# Altium PCB PCB2.PcbDoc
Units mm, origin at the board's own origin, x right, y up, seen from the top; angles counter-clockwise.
Board outline 99.95 x 75.18 mm, 2 copper layers (Top Layer, Bottom Layer); 75 components, 73 nets, 398 pads, 100 vias.
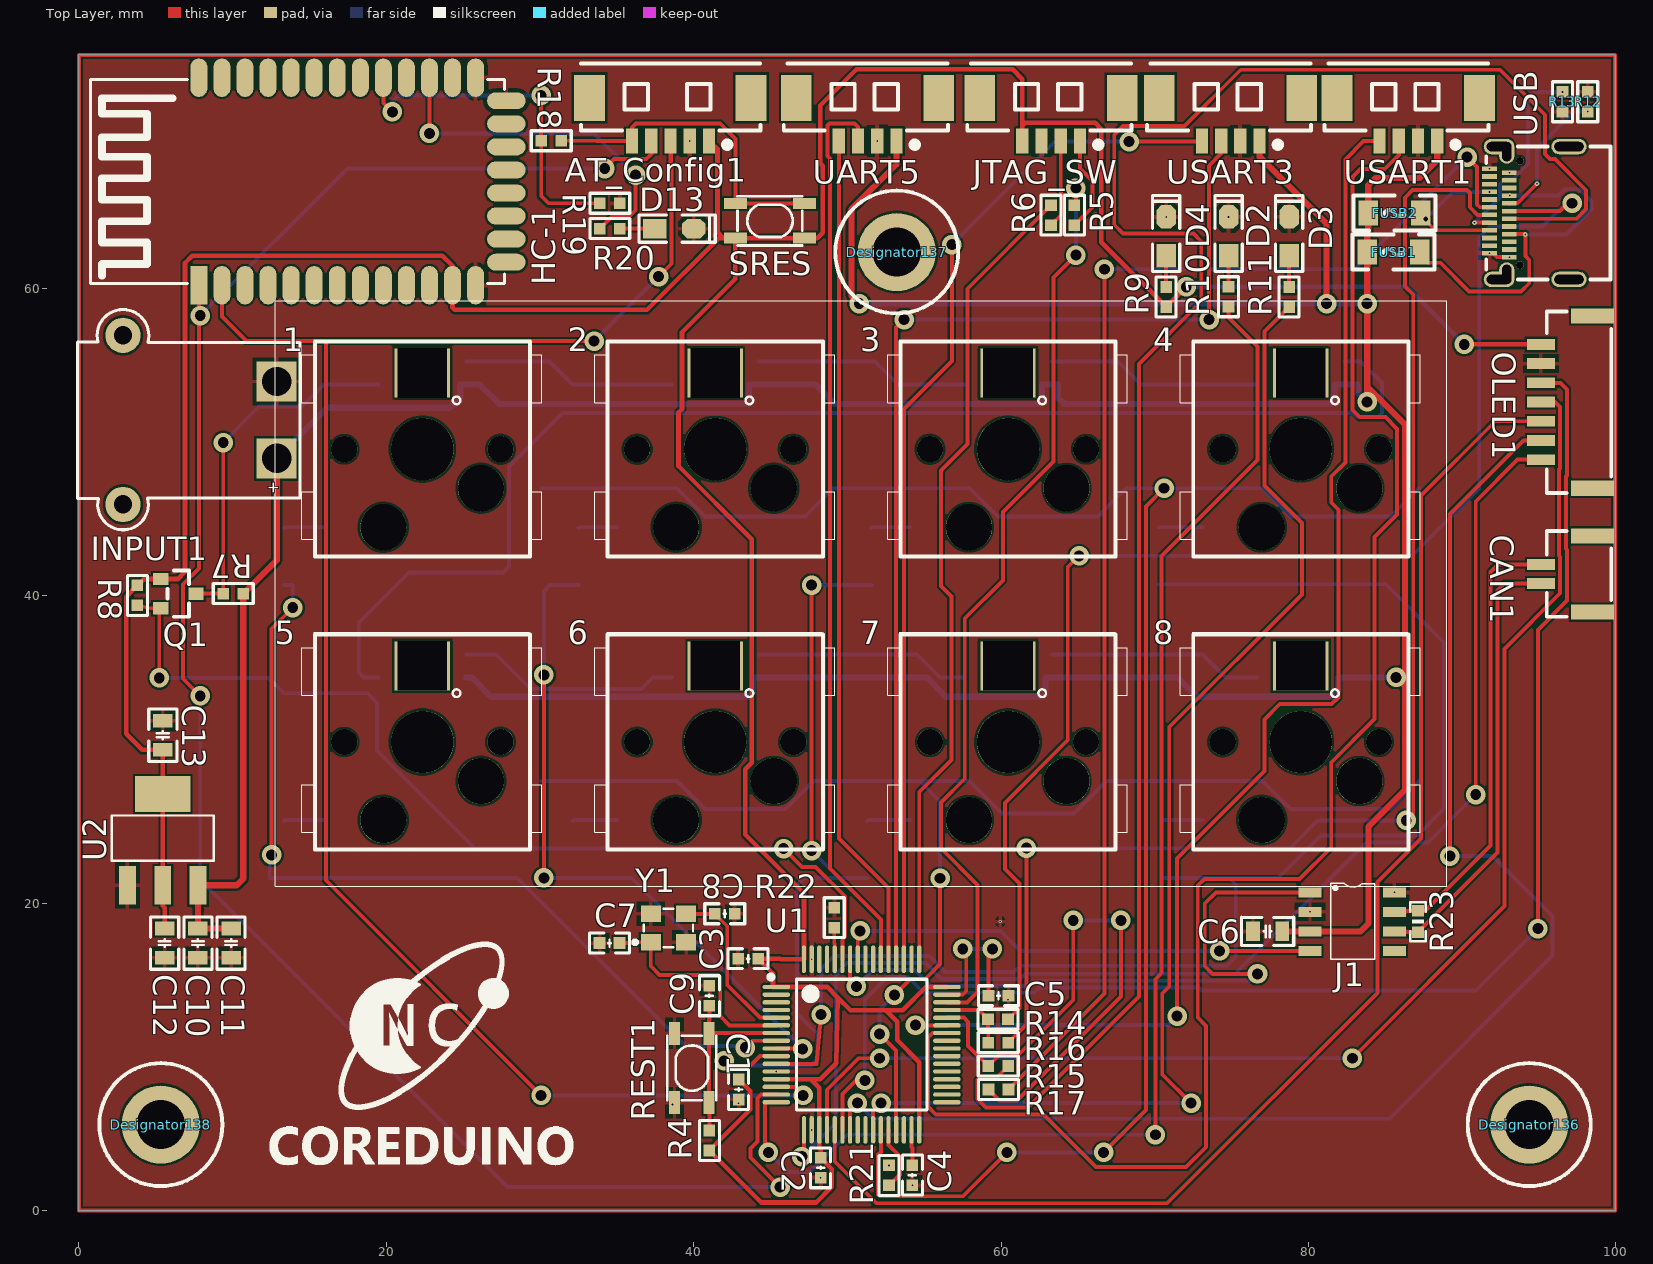
[diagram p0: Top Layer view]
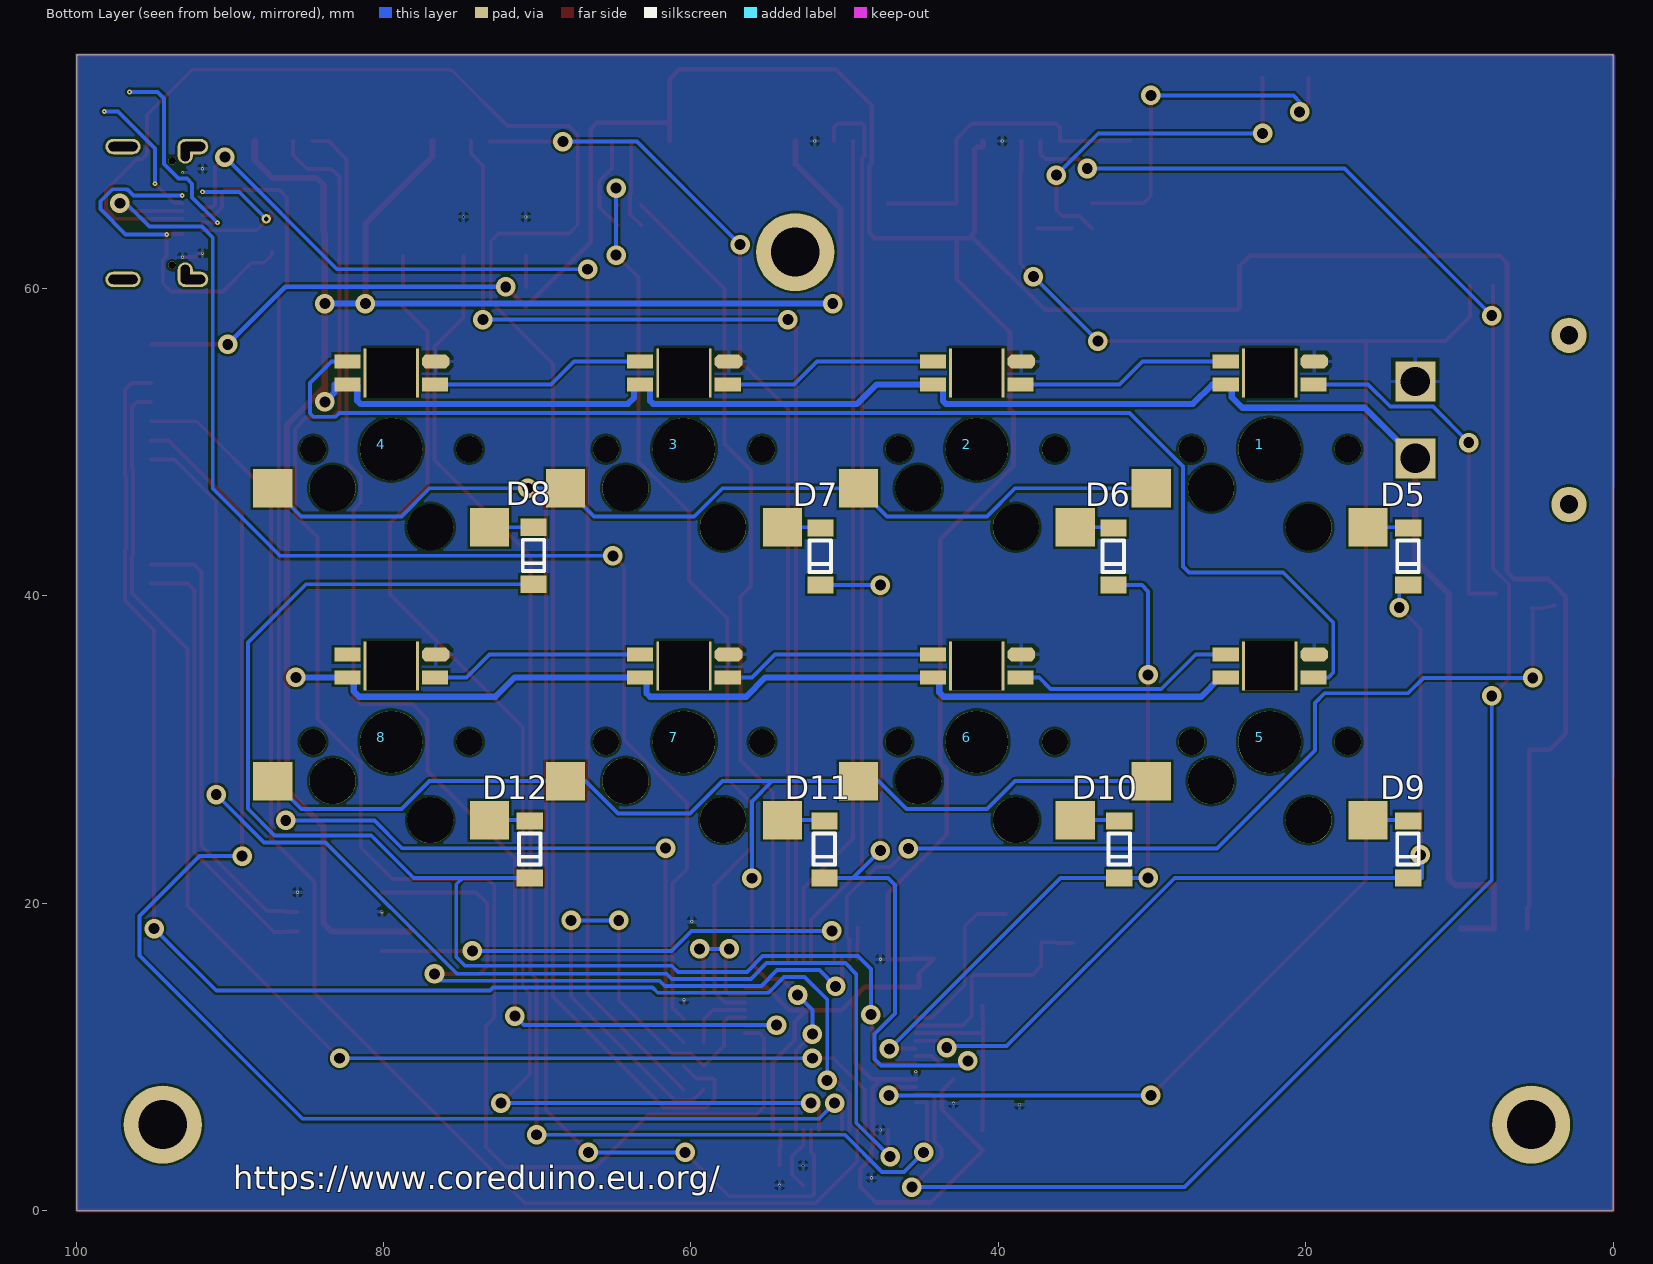
[diagram p1: Bottom Layer view, seen from below]
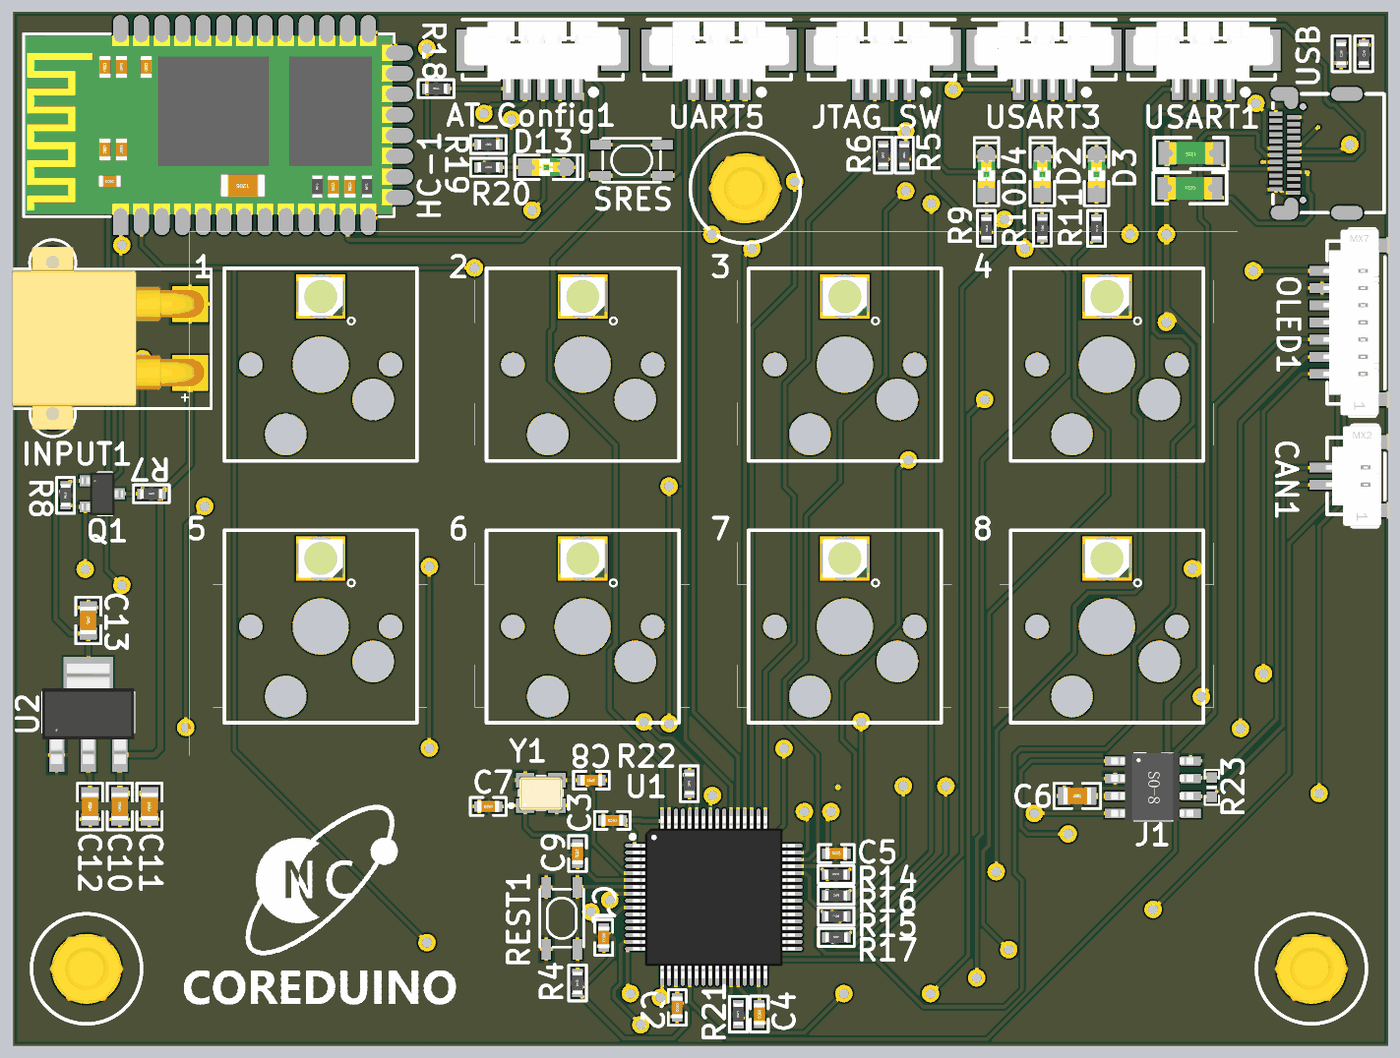
[diagram p2: 3D render of the assembled board from above, using the file's embedded part models]
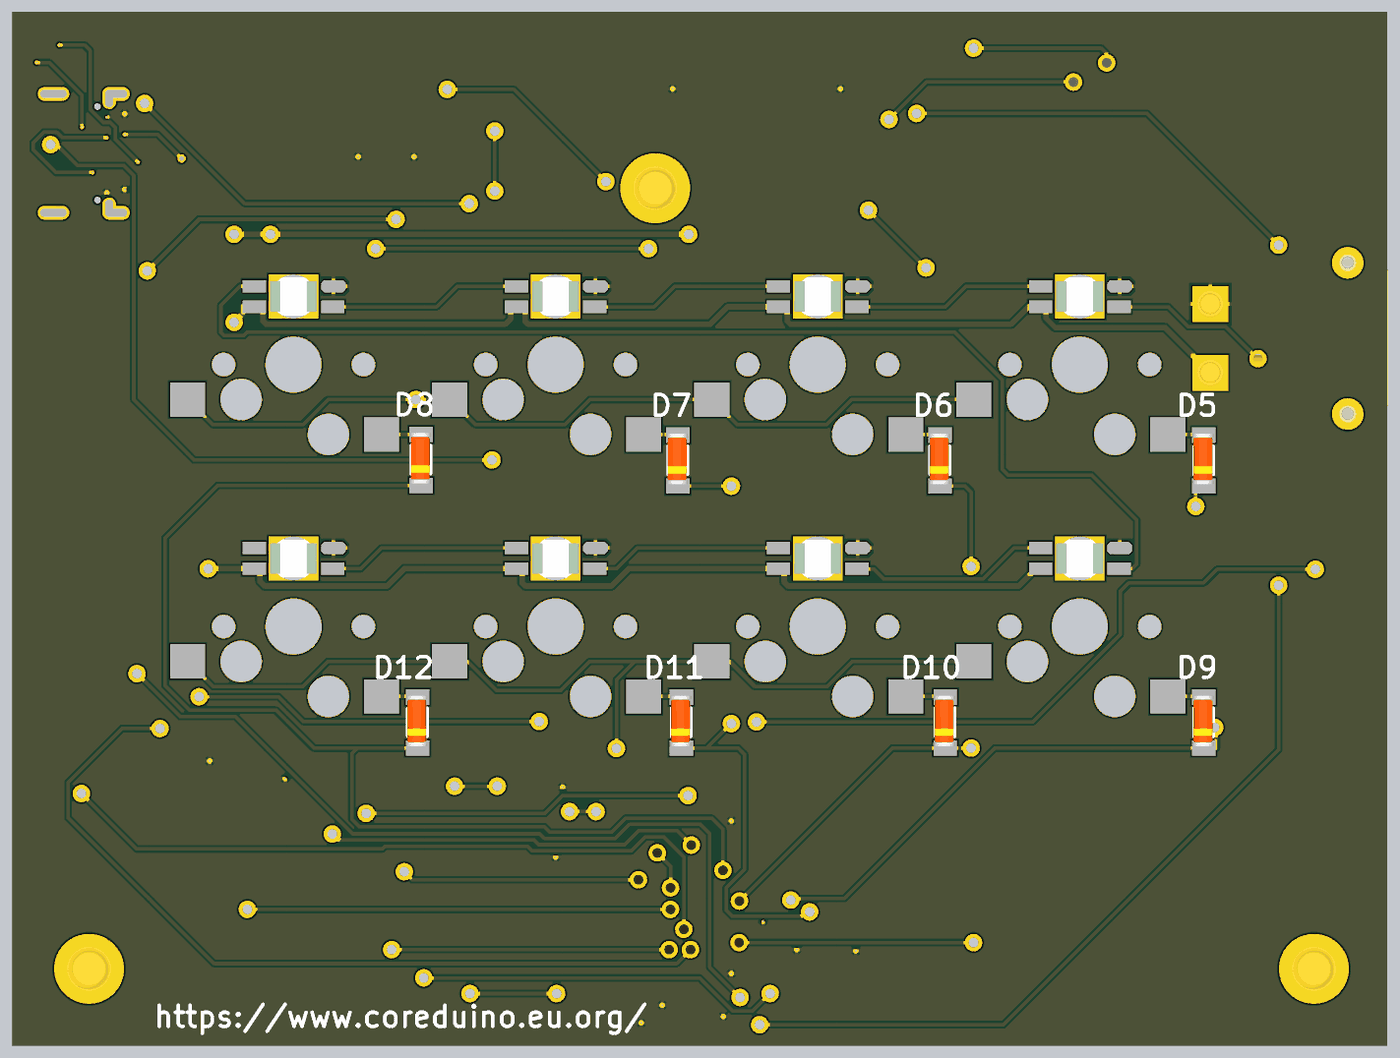
[diagram p3: 3D render of the assembled board from below, using the file's embedded part models]

## Layer stack, top to bottom
Top Solder: solder mask 0.0102, Solder Resist, Dk 3.5
Top Layer: signal copper 0.0356
Dielectric 1: dielectric 0.32, FR-4, Dk 4.8
Bottom Layer: signal copper 0.0356
Bottom Solder: solder mask 0.0102, Solder Resist, Dk 3.5

## Board outline
0,0 0,75.184 99.949,75.184 99.949,0

## Design rules (kind name [scope] priority, off if disabled: settings)
Clearance [All] p1: gap=0.15 ignorepadtopadclearanceinfootprint=FALSE
PolygonConnect [All] p1: connectstyle=Relief reliefconductorwidth=0.254 reliefentries=4 polygonreliefangle="90 Angle" airgapwidth=0.254
RoutingVias [All] p1: holewidth=0.711 width=1.27 viastyle="Through Hole" minholewidth=0.711 minwidth=1.27 maxholewidth=0.711 maxwidth=1.27
SolderMaskExpansion [All] p1: expansion=0.102 istentingtop=FALSE
Width Width5V [InNet('VCC5V')] p1: maxlimit=0.4 minlimit=0.4 preferedwidth=0.4
Width Width3V3 [InNet('VCC3V3')] p2: maxlimit=0.3 minlimit=0.3 preferedwidth=0.3
30 further rules are at their usual default settings.

## Classes and differential pairs
component class Sheet2: 1 2 3 4 5 6 7 8 AT_Config1 C1 C2 C3 C4 C5 C6 C7 C8 C9 C10 C11 C12 C13 CAN1 D2 D3 D4 D5 D6 D7 D8 D9 D10 D11 D12 D13 FUSB1 FUSB2 HC-1 INPUT1 J1 JTAG_SW OLED1 Q1 R4 R5 R6 R7 R8 R9 R10 R11 R12 R13 R14 R15 R16 R17 R18 R19 R20 R21 R22 R23 REST1 SRES U1 U2 UART5 USART1 USART3 Y1

## Components (designator, comment, footprint, x,y, rotation, side; value= is the part's Value field where it differs from the comment)
1 "MX_SW" MX_SW-HOTPLUG 22.352,49.53 r0 top
2 "MX_SW" MX_SW-HOTPLUG 41.402,49.53 r0 top
3 "MX_SW" MX_SW-HOTPLUG 60.452,49.53 r0 top
4 "MX_SW" MX_SW-HOTPLUG 79.502,49.53 r0 top
5 "MX_SW" MX_SW-HOTPLUG 22.352,30.48 r0 top
6 "MX_SW" MX_SW-HOTPLUG 41.402,30.48 r0 top
7 "MX_SW" MX_SW-HOTPLUG 60.452,30.48 r0 top
8 "MX_SW" MX_SW-HOTPLUG 79.502,30.48 r0 top
AT_Config1 "HDR1x4" "MX 1.25-WS-5P" 38.481,72.39 r180 top
C1 "C 0603_L" "C 0603_L" 42.926,7.874 r270 top value=0.1uF
C2 "C 0603_L" "C 0603_L" 48.26,2.779 r270 top value=0.1uF
C3 "C 0603_L" "C 0603_L" 43.546,16.383 r180 top value=0.1uF
C4 "C 0603_L" "C 0603_L" 54.229,2.301 r270 top value=2.2uF
C5 "C 0603_L" "C 0603_L" 59.832,13.97 r0 top value=2.2uF
C6 "C 0805_L" "C 0805_L" 77.343,18.161 r180 top value=0.1uF
C7 "C 0603_L" "C 0603_L" 34.529,17.399 r180 top value=22pF
C8 "C 0603_L" "C 0603_L" 42.022,19.304 r180 top value=22pF
C9 "C 0603_L" "C 0603_L" 41.021,13.97 r90 top value=0.1uF
C10 "C 0805_L" "C 0805_L" 7.747,17.399 r90 top value=47uF
C11 "C 0805_L" "C 0805_L" 9.906,17.399 r90 top value=47uF
C12 "C 0805_L" "C 0805_L" 5.588,17.399 r90 top value=47uF
C13 "C 0805_L" "C 0805_L" 5.461,30.922 r270 top value=47uF
CAN1 "HDR1x2" GH1.25-立贴-2P 95.123,40.787 r90 top
D2 "LED" "LED 0805R" 74.803,63.373 r90 top
D3 "LED" "LED 0805R" 78.74,63.373 r90 top
D4 "LED" "LED 0805R" 70.739,63.373 r90 top
D5 "LL4148" LL-34_L3.7-W1.6-RD 13.335,42.545 r90 bottom
D6 "LL4148" LL-34_L3.7-W1.6-RD 32.512,42.545 r90 bottom
D7 "LL4148" LL-34_L3.7-W1.6-RD 51.562,42.545 r90 bottom
D8 "LL4148" LL-34_L3.7-W1.6-RD 70.231,42.596 r90 bottom
D9 "LL4148" LL-34_L3.7-W1.6-RD 13.335,23.495 r90 bottom
D10 "LL4148" LL-34_L3.7-W1.6-RD 32.131,23.495 r90 bottom
D11 "LL4148" LL-34_L3.7-W1.6-RD 51.308,23.495 r90 bottom
D12 "LL4148" LL-34_L3.7-W1.6-RD 70.485,23.495 r90 bottom
D13 "LED" "LED 0805R" 38.735,63.881 r0 top
Designator136 "Comment" M3x4+6_L 94.361,5.588 r0 top
Designator137 "Comment" M3x4+6_L 53.213,62.357 r0 top
Designator138 "Comment" M3x4+6_L 5.334,5.588 r0 top
FUSB1 "保险丝" "FU 1206" 85.534,62.357 r0 top
FUSB2 "保险丝" "FU 1206" 85.598,64.897 r180 top
HC-1 "HC-04-HID" HC-04 14.215,66.948 r90 top
INPUT1 "XT30" XT30PW-M 7.874,51.435 r270 top
J1 "TJA1050T/CM,118" SOIC-8_150MIL 80.098,20.701 r0 top
JTAG_SW "HDR1x4" "MX 1.25-WS-4P" 63.246,72.39 r180 top
OLED1 "HDR1x7" GH1.25-立贴-7P 95.123,48.848 r90 top
Q1 "AO3400A" AO3400A 6.477,40.132 r180 top
R4 "R 0603_L" "R 0603_L" 41.021,4.557 r90 top value=10K
R5 "R 0603_L" "R 0603_L" 64.77,64.755 r90 top value=0R
R6 "R 0603_L" "R 0603_L" 63.246,64.755 r90 top value=0R
R7 "R 0603_L" "R 0603_L" 10.048,40.132 r0 top value=4.7K
R8 "R 0603_L" "R 0603_L" 3.81,40.02 r90 top value=4.7K
R9 "R 0603_L" "R 0603_L" 70.739,59.436 r270 top value=4.7K
R10 "R 0603_L" "R 0603_L" 74.803,59.451 r270 top value=4.7K
R11 "R 0603_L" "R 0603_L" 78.74,59.436 r270 top value=4.7K
R12 "R 0603_L" "R 0603_L" 98.171,72.136 r270 top value=5.1K
R13 "R 0603_L" "R 0603_L" 96.52,72.136 r270 top value=5.1K
R14 "R 0603_L" "R 0603_L" 59.802,12.446 r0 top value=10R
R15 "R 0603_L" "R 0603_L" 59.817,9.398 r0 top value=10R
R16 "R 0603_L" "R 0603_L" 59.817,10.922 r0 top value=10R
R17 "R 0603_L" "R 0603_L" 59.832,7.874 r0 top value=10R
R18 "R603_L" "R 0603_L" 30.734,69.596 r0 top value=470R
R19 "R603_L" "R 0603_L" 34.544,65.532 r0 top value=10K
R20 "R603_L" "R 0603_L" 34.544,63.881 r0 top value=1K
R21 "R 0603_L" "R 0603_L" 52.705,2.286 r90 top value=10K
R22 "R 0603_L" "R 0603_L" 49.149,19.05 r90 top value=10K
R23 "R 0603_P" 0603P 87.122,18.796 r90 top value=120R
REST1 "SW-PB" SMD-3.2*4.2 39.878,9.271 r270 top
SRES "SW-PB" SMD-3.2*4.2 44.958,64.389 r0 top
U1 "STM32F405RGT6" STM32F405RGT6 51.054,11.049 r0 top
U2 "SPX1117M3-L-3-3" SPX1117M3-L-3-3/TR 5.461,24.13 r270 top
UART5 "HDR1x4" "MX 1.25-WS-4P" 51.308,72.39 r180 top
USART1 "HDR1x4" "MX 1.25-WS-4P" 86.487,72.39 r180 top
USART3 "HDR1x4" "MX 1.25-WS-4P" 74.93,72.39 r180 top
USB "TYPE-C 24P QT" USB-C-SMD_TYPE-C-24P-QT 94.361,64.897 r90 top
Y1 "12MHZ" SMD-3225_4P 37.211,17.454 r0 top

## Footprints (in the part's own frame and the unit in brackets; to place one, negate y for a bottom-side part, rotate by r counter-clockwise, add the part's x,y. Pads: shape width x height; smd on the part's side, far side on the other; paste and mask are expansions set on the pad)
0603P [mil]
  rect 30x30 smd: 1(-27,0) 2(27.5,-0.06)
  silkscreen extent -50,-20 50,20
AO3400A [mm] "SOT-23_L2.9-W1.3-P1.90-LS2.4-BR"
  rect 1x0.8 smd mask+0.051: 1(1.15,-0.95) 2(1.15,0.95) 3(-1.15,0)
  silkscreen extent -0.7,-1.5 0.7,1.5, body extent -1.5,-1.55 1.5,1.55, height 1.25
"C 0603_L" [mil] "无极性贴片电容                                       淘宝ID:黄晶宝石"
  rect 30x30 smd: 1(-25.59,0) 2(25.59,0)
  silkscreen extent -51,-26 51,26, body extent -31,-16 31,16, height 32
"C 0805_L" [mil] "无极性贴片电容                                        淘宝ID:黄晶宝石"
  rect 35x50 smd: 1(-37.4,0) 2(37.4,0)
  silkscreen extent -67,-36 67,36, body extent -39,-24 39,24, height 20
"FU 1206" [mil] "贴片保险丝"
  rect 50x65 smd: 1(-67.5,0) 2(67.5,0)
  silkscreen extent -105,-45 105,45, body extent -63,-32 63,32, height 34
GH1.25-立贴-2P [mm]
  rect 1x2.8 smd: 0(-1.85,-3.35) 0(3.1,-3.35)
  rect 0.7x1.8 smd: 1(0,0) 2(1.25,0)
  silkscreen extent -2.16,-4.57 3.43,-0.38, body extent -3.19,-4.33 4.46,-0.23, height 4.7
GH1.25-立贴-7P [mm]
  rect 1x2.8 smd: 0(-1.85,-3.35) 0(9.35,-3.35)
  rect 0.7x1.8 smd: 1(0,0) 2(1.25,0) 3(2.5,0) 4(3.75,0) 5(5,0) 6(6.25,0) 7(7.5,0)
  silkscreen extent -2.16,-4.57 9.65,-0.38, body extent -3.2,-4.14 10.7,-0.04, height 4.7
HC-04 [mm] "串口蓝牙模块"
  rect 2.5x1.1 smd: 1(-6.75,6.403)
  oval 2.5x1.1 smd: 2(-6.75,4.903) 3(-6.75,3.403) 4(-6.75,1.903) 5(-6.75,0.403) 6(-6.75,-1.097) 7(-6.75,-2.597) 8(-6.75,-4.097) 9(-6.75,-5.597) 10(-6.75,-7.097) 11(-6.75,-8.597) 12(-6.75,-10.097) 13(-6.75,-11.597) 22(6.75,-11.597) 23(6.75,-10.097) 24(6.75,-8.597) 25(6.75,-7.097) 26(6.75,-5.597) 27(6.75,-4.097) 28(6.75,-2.597) 29(6.75,-1.097) 30(6.75,0.403) 31(6.75,1.903) 32(6.75,3.403) 33(6.75,4.903) 34(6.75,6.403)
  oval 1.1x2.5 smd: 14(-5.25,-13.597) 15(-3.75,-13.597) 16(-2.25,-13.597) 17(-0.75,-13.597) 18(0.75,-13.597) 19(2.25,-13.597) 20(3.75,-13.597) 21(5.25,-13.597)
  silkscreen extent -6.65,-13.49 6.64,13.46, body extent -6.52,-13.37 6.52,13.35, height 2.46
"LED 0805R" [mil] "红色0805LED                                       淘宝ID:黄晶宝石"
  rect 60x50 smd: 1(-50,0)
  oct 60x50 smd: 2(50,0)
  silkscreen extent -90,-35 105,35, body extent -39,-25 39,25, height 32
LL-34_L3.7-W1.6-RD [mil]
  rect 44x67 smd: 1(73,0) 2(-73,0)
  silkscreen extent -39,-27 41,28, body extent -68,-29 78,34, height 63
M3x4+6_L [mm] "M3铜柱，长：4mm，螺纹长：6mm"
  round 5.08 hole 3.175: 1(0,0)
  silkscreen extent -4,-4 4,4, body extent -2.7,-2.35 2.7,2.35, height 4.05
"MX 1.25-WS-4P" [mm] "长：10.15mm，宽：4.2mm，高：3.4mm"
  rect 2x3 smd: 0(-4.632,0) 0(4.632,0)
  rect 0.8x1.6 smd: 1(-1.889,2.811) 2(-0.639,2.811) 3(0.611,2.811) 4(1.861,2.811)
  silkscreen extent -5.23,-2.23 5.45,3.25, body extent -5.07,-2.1 5.07,3.09, height 3.4
"MX 1.25-WS-5P" [mm] "长：11.4mm，宽：4.2mm，高：3.4mm"
  rect 2x3 smd: 0(-5.257,0) 0(5.257,0)
  rect 0.8x1.6 smd: 1(-2.514,2.811) 2(-1.264,2.811) 3(-0.014,2.811) 4(1.236,2.811) 5(2.486,2.811)
  silkscreen extent -5.86,-2.23 5.83,3.25, body extent -5.7,-2.1 5.7,3.09, height 3.4
MX_SW-HOTPLUG [mm] "with Fixation pins  1-Pole w/Diode"
  rect 2.55x2.5 smd far side: 1(7.7,-2.54) 2(-6.4,-5.08)
  rect 1.7x0.9 smd far side: 3(2.85,4.203) 4(2.85,5.703) 6(-2.85,4.203)
  oct 1.8x0.9 smd far side: 5(-2.9,5.703)
  round 1.702 hole 1.702: ""(-5.08,0) ""(5.08,0)
  round 3 hole 3: ""(-2.54,-5.08) ""(3.81,-2.54)
  round 4.064 hole 4.064: ""(0,0)
  rect 3.6x3.2 hole 3.2 square: ""(0,4.953)
  silkscreen extent -7,-7 7,7, body extent -7.82,-8.16 7.82,8.16, height 2.55
"R 0603_L" [mil] "1/10W贴片电阻                 淘宝ID:黄晶宝石"
  rect 30x30 smd: 1(-25.59,0) 2(25.59,0)
  silkscreen extent -51,-26 51,26, body extent -31,-16 32,16, height 16
SMD-3.2*4.2 [mm]
  rect 1.5x0.7 smd: 1(-2.25,1.125) 1(2.25,1.125) 2(-2.25,-1.125) 2(2.25,-1.125)
  silkscreen extent -2.1,-1.6 2.1,1.6, body extent -2.73,-1.6 2.47,1.58, height 1.8
SMD-3225_4P [mm]
  rect 1.3x1.05 smd: 1(0,0) 2(2.3,0) 3(2.3,1.85) 4(0,1.85)
  silkscreen extent -1.14,-0.33 2.74,2.17, body extent -0.46,-0.36 2.74,2.14, height 0.7
SOIC-8_150MIL [mm]
  rect 1.473x0.65 smd: 1(0,0) 2(0,-1.27) 3(0,-2.54) 4(0,-3.81) 5(5.5,-3.81) 6(5.5,-2.54) 7(5.5,-1.27) 8(5.5,0)
  silkscreen extent 1.35,-4.34 4.2,0.58, body extent -0.3,-4.34 5.7,0.56, height 1.7
SPX1117M3-L-3-3/TR [mm] "SOT-223-3_L6.5-W3.4-P2.30-LS7.0-BR"